# Altium PCB fire.PcbDoc
Units mm, origin at the board's own origin, x right, y up, seen from the top; angles counter-clockwise.
Board outline 99.8 x 66.79 mm, 2 copper layers (Top Layer, Bottom Layer), stack 1.651 mm thick; 15 components, 15 nets, 73 pads, 0 vias.
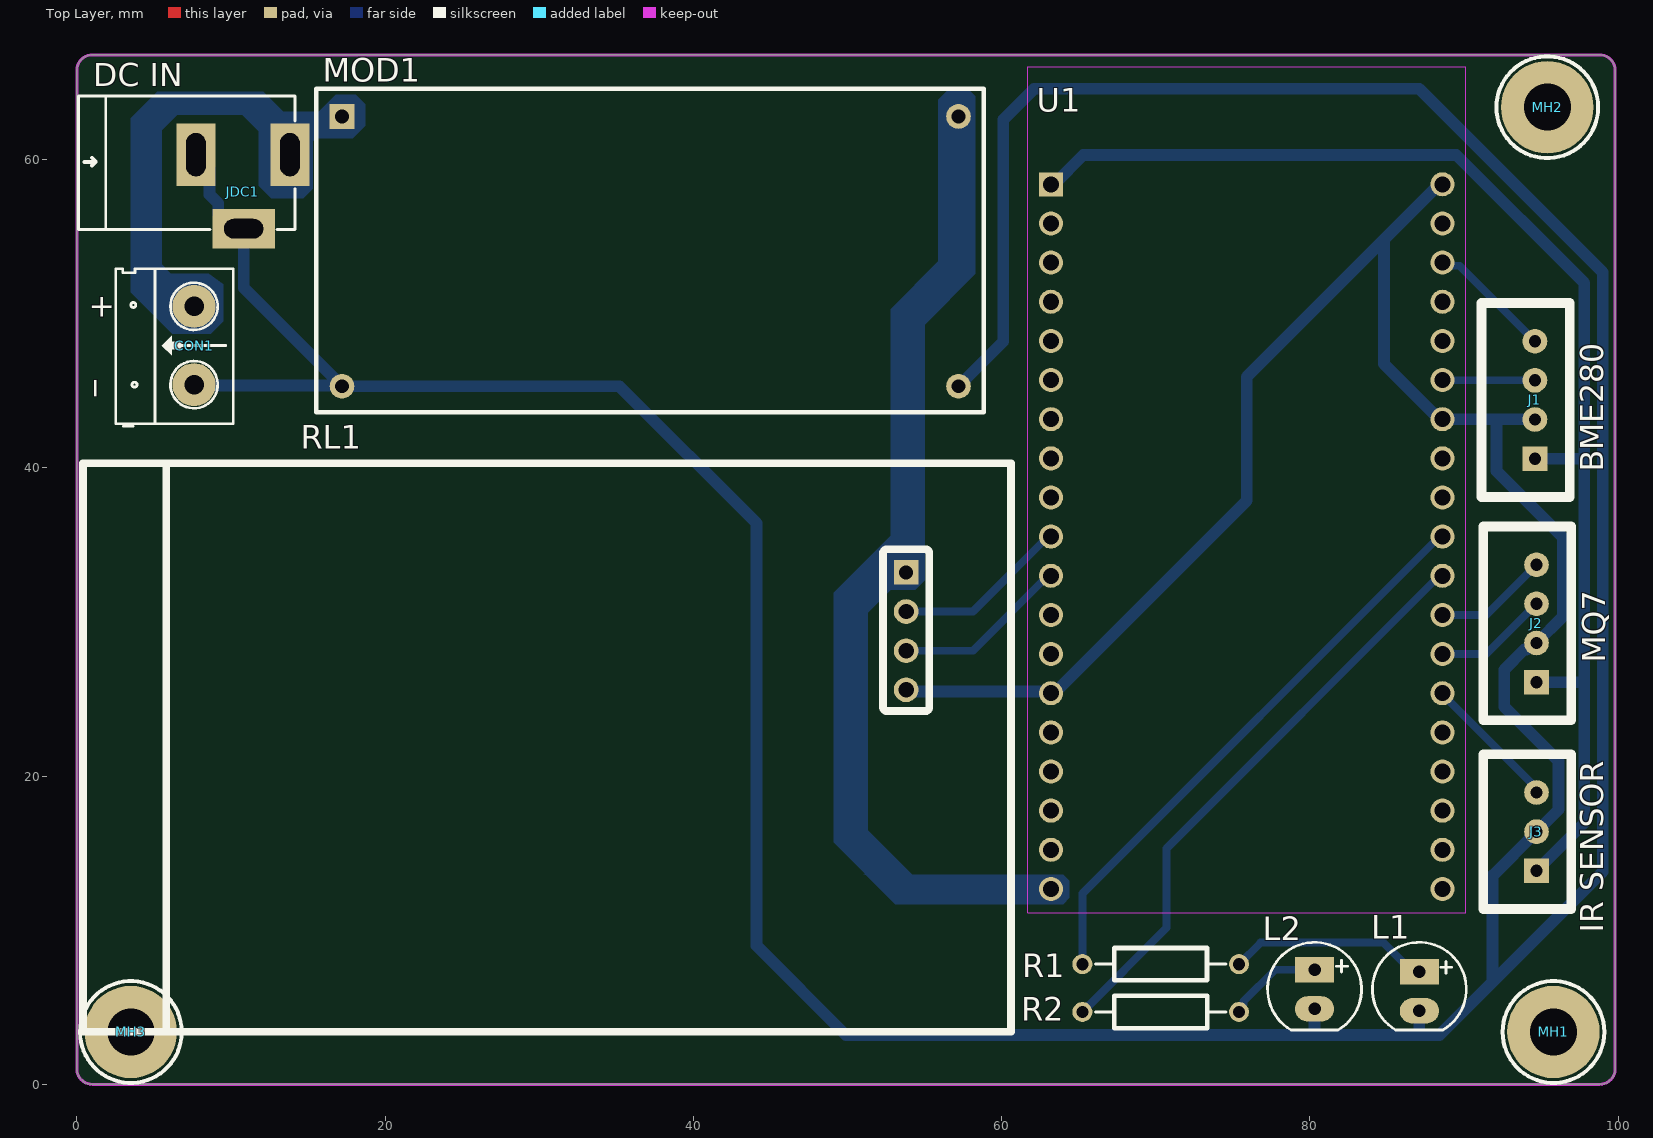
[diagram p0: Top Layer view]
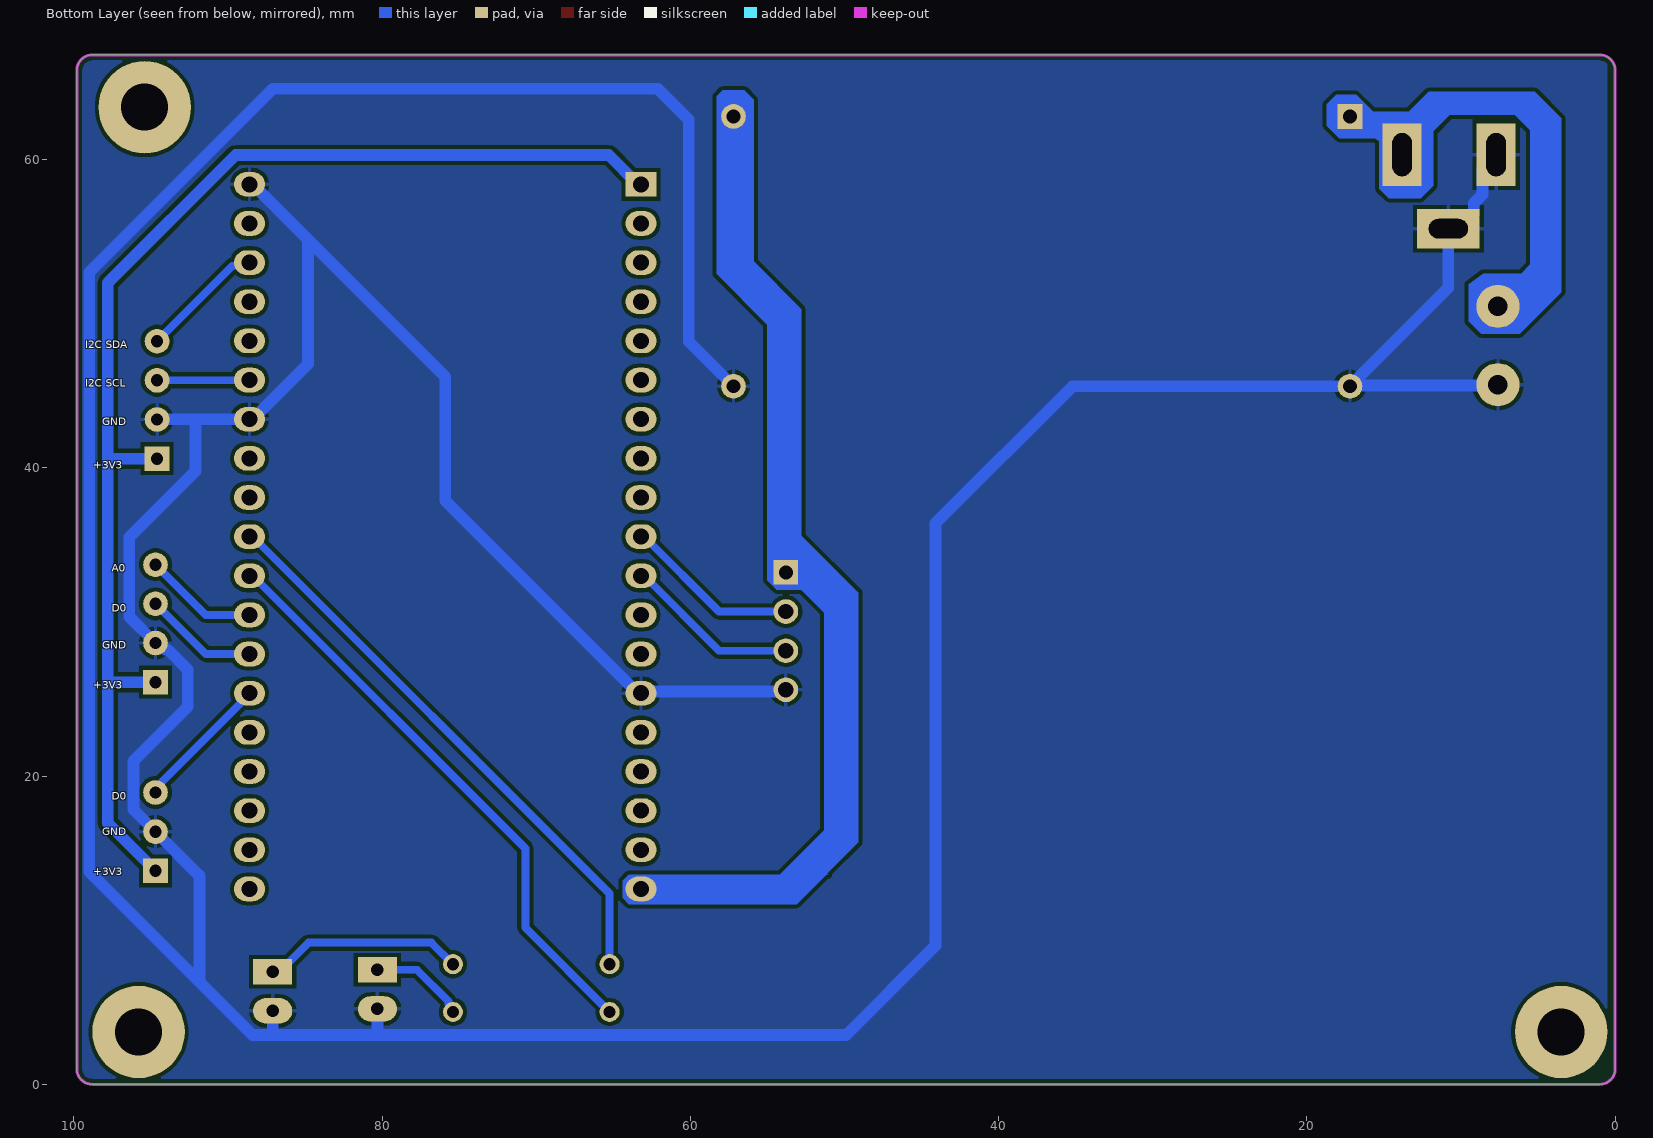
[diagram p1: Bottom Layer view, seen from below]

## Layer stack, top to bottom
Top Solder: solder mask 0.0102, Solder Resist, Dk 3.5
Top Layer: signal copper 0.0356
Dielectric 1: dielectric 1.58, FR-4, Dk 4.8
Bottom Layer: signal copper 0.0356
Bottom Solder: solder mask 0.0102, Solder Resist, Dk 3.5

## Board outline
0,1 0,65.795 cw(c1,65.795) 1,66.795 98.8,66.795 cw(c98.8,65.795) 99.8,65.795 99.8,1 cw(c98.8,1) 98.8,0 1,0 cw(c1,1)

## Design rules (kind name [scope] priority, off if disabled: settings)
Clearance [All] p1: gap=0.254 ignorepadtopadclearanceinfootprint=FALSE except(0: Arc-Hole Track-Hole SMDPad-Hole THPad-Hole Via-Hole Fill-Hole Poly-Hole Region-Hole Text-Hole)
PolygonConnect [All] p1: connectstyle=Relief reliefconductorwidth=0.254 reliefentries=4 polygonreliefangle="90 Angle" airgapwidth=0.254
RoutingVias [All] p1: holewidth=0.711 width=1.27 viastyle="Through Hole" minholewidth=0.711 minwidth=1.27 maxholewidth=0.711 maxwidth=1.27
SolderMaskExpansion [All] p1: expansion=0.102 istentingtop=FALSE
Width [All] p1: maxlimit=0.762 minlimit=0.254 preferedwidth=0.508
30 further rules are at their usual default settings.

## Classes and differential pairs
component class fire_warning: CON1 J1 J3 JDC1 L1 L2 MH1 MH2 MH3 MOD1 R1 R2 RL1 U1

## Components (designator, comment, footprint, x,y, rotation, side; value= is the part's Value field where it differs from the comment)
CON1 "Connector 2Pin" "Connector 2 Pin" 7.6,47.94 r90 top value="Header 2"
J1 "BME280" XH2.54M-4 94.6,40.6 r90 top
J2 "MQ7" XH2.54M-4 94.7,26.1 r90 top
J3 "IR" XH2.54M-3 94.7,13.86 r90 top
JDC1 "Jac DC" DC-IN 7.722,60.318 r0 top
L1 "LED 5mm" LED-5MM-BLUE 87.1,6.17 r270 top
L2 "LED 5mm" LED-5MM-RED 80.3,7.44 r270 top
MH1 "Mounting Hole H3" "Mounting Hole H3" 95.8,3.4 r0 top
MH2 "Mounting Hole H3" "Mounting Hole H3" 95.4,63.4 r0 top
MH3 "Mounting Hole H3" "Mounting Hole H3" 3.5,3.4 r0 top
MOD1 "DC-DC Buck Converter LM2596 ADJ" "Module DC-DC Buck Converter LM2596" 17.2,62.8 r0 top
R1 "Res" "Res 1/4W" 75.4,7.8 r180 top value="R1/4W - 1K"
R2 "Res" "Res 1/4W" 65.24,4.7 r0 top value="R1/4W - 1K"
RL1 "Module Relay 2 channel" "RLY 2 Channel" 53.8,33.22 r180 top
U1 "Eval Board For Esp-Wroom-32 Check availability" MODULE_ESP32-DEVKITC-32D 75.9,38.64 r0 top

## Footprints (in the part's own frame and the unit in brackets; to place one, negate y for a bottom-side part, rotate by r counter-clockwise, add the part's x,y. Pads: shape width x height; smd on the part's side, far side on the other; paste and mask are expansions set on the pad)
"Connector 2 Pin" [mil] "Connnector 2 pin, green"
  round 110 hole 50: 1(-100,0) 2(100,0)
  silkscreen extent -206,-100 196,200, body extent -209,-195 215,211, height 574
DC-IN [mm] "Jac DC input"
  rect 2.54x4.064 hole 1.27 slot 2.8 at 90 deg: 1(6.1,0) 2(0,0)
  rect 4.064x2.54 hole 1.27 slot 2.54 at 0 deg: 3(3.1,-4.8)
  silkscreen extent -7.62,-4.85 6.43,3.81, body extent -7.6,-5.03 6.22,4.47, height 11.02
LED-5MM-BLUE [mil] "LED 2 PIN, 5 ly , Only colour, pin to pin 110mil"
  rect 65x100 hole 32: 1(-45,0)
  oval 65x100 hole 32: 2(55,0)
  silkscreen extent -120,-120 104,120, body extent -113,-120 100,117, height 339
LED-5MM-RED [mil] "LED 2 PIN, 5 ly , Only colour,pin to pin 100mil"
  rect 65x100 hole 32: 1(0,0)
  oval 65x100 hole 32: 2(100,0)
  silkscreen extent -70,-120 154,120, body extent -65,-119 149,118, height 339
"Module DC-DC Buck Converter LM2596" [mm] "43x21x14mm"
  rect 1.6x1.6 hole 0.9: 1(0,0)
  round 1.6 hole 0.9: 2(0,-17.5) 3(40,0) 4(40,-17.5)
  silkscreen extent -1.68,-19.19 41.64,1.81, body extent -1.51,-19.19 41.49,1.81, height 15.82
MODULE_ESP32-DEVKITC-32D [mm]
  rect 1.56x1.56 / inner round 1.441 / far side rect 2x1.6 hole 1.04: 1(-12.7,19.76)
  round 1.56 / inner round 1.56 / far side oval 2x1.6 hole 1.04: 2(-12.7,17.22) 3(-12.7,14.68) 4(-12.7,12.14) 5(-12.7,9.6) 6(-12.7,7.06) 7(-12.7,4.52) 8(-12.7,1.98) 9(-12.7,-0.56) 10(-12.7,-3.1) 11(-12.7,-5.64) 12(-12.7,-8.18) 13(-12.7,-10.72) 14(-12.7,-13.26) 15(-12.7,-15.8) 16(-12.7,-18.34) 17(-12.7,-20.88) 18(-12.7,-23.42) 19(-12.7,-25.96) 20(12.7,19.76) 21(12.7,17.22) 22(12.7,14.68) 23(12.7,12.14) 24(12.7,9.6) 25(12.7,7.06) 26(12.7,4.52) 27(12.7,1.98) 28(12.7,-0.56) 29(12.7,-3.1) 30(12.7,-5.64) 31(12.7,-8.18) 32(12.7,-10.72) 33(12.7,-13.26) 34(12.7,-15.8) 35(12.7,-18.34) 36(12.7,-20.88) 37(12.7,-23.42) 38(12.7,-25.96)
  Top Layer keep-out lines w0.05: -14.2,-27.5 -14.2,27.4 14.2,27.4 14.2,-27.5 -14.2,-27.5
  body extent -13.96,-27.93 13.98,27.17, height 8.25
"Mounting Hole H3" [mm]
  round 6 hole 3.05: 1(0,0)
  silkscreen extent -3.3,-3.3 3.3,3.3, body extent -2.74,-2.75 2.74,2.75, height 2.2
"Res 1/4W" [mm] "1/4W"
  round 1.3 hole 0.8 mask+0.1: 1(0,0) 2(10.16,0)
  silkscreen extent 0.85,-1.05 9.31,1.04, body extent -0.31,-1.19 10.45,1.21, height 2.6
"RLY 2 Channel" [mm]
  rect 1.6x1.6 hole 0.9: 1(0,0)
  round 1.6 hole 1: 2(0,2.54) 3(0,5.08) 4(0,7.62)
  silkscreen extent -6.8,-7.09 53.4,29.81, body extent -2.61,-7.1 47.93,29.78, height 17.09
XH2.54M-3 [mm] "Male, trang, chan thang, pitch 2.54mm"
  rect 1.6x1.6 hole 0.8: 1(0,0)
  round 1.6 hole 0.8: 2(2.54,0) 3(5.08,0)
  silkscreen extent -2.48,-2.26 7.56,3.46, body extent -2.48,-2.26 7.56,3.48, height 6.91
XH2.54M-4 [mm]
  rect 1.6x1.6 hole 0.8: 1(0,0)
  round 1.6 hole 0.8: 2(2.54,0) 3(5.08,0) 4(7.62,0)
  silkscreen extent -2.48,-2.26 10.1,3.46, body extent -2.48,-2.26 10.1,3.48, height 6.91

## Part data
J1 J2: library part "CON 4-Pin", "Pitch 2.54mm", Chung_Loai=Cắm, Don_Vi=Con, Ma_Hang=MH001285, Ten_Linh_Kien="Header 4P XH2.54-4P Đực Thẳng"
J3: library part "CON 3-Pin", Chung_Loai=Cắm, Don_Vi=Con, Ma_Hang=MH001292, Ten_Linh_Kien="Header 3P XH2.54-3P Đực Thẳng"
JDC1: library part DCIN, "Jac DC input"
L1: library part "LED 5mm Xanh Duong", "Cắm", Chung_Loai=Cắm, Don_Vi=Con, Ma_Hang=MH008987, Ten_Linh_Kien="Led 5MM Xanh Dương Đục (1000c)"
L2: library part "LED 5mm Do", "Cắm", Chung_Loai=Cắm, Don_Vi=Con, Ma_Hang=MH008967, Ten_Linh_Kien="Led 5MM Phủ Đỏ (1000c)"
MH1 MH2 MH3: library part MH_3H, "Mounting Hole H3mm", Alternate Part Number-1=NA, Case/Package=TH, Manufacturer=NA, Manufacturer Part Number=NA, Supplier Part Number-1=NA, Supplier-1=NA
MOD1: library part MOD-DC-DC_Buck_LM2596_3A, "Input: 3-30V, Output:1.5-30V. I_out = 3A (max). Dimensions: 45x20x14mm"
R1 R2: "Resistor"
RL1: library part RLY2_5V_80mA, "Output: 10A/30VDC, 10A/250VAC"
U1: library part ESP32-DEVKITC-32D, Package=MODULE_ESP32-DEVKITC-32D, Availability="In Stock", DeviceSetName=ESP32-DEVKITC-32D, GateName_1=G$1, LibraryName=ESP32-DEVKITC-32D, MF="Espressif Systems", MP=ESP32-DEVKITC-32D, PRICE=None, Purchase-URL=https://pricing.snapeda.com/search/part/ESP32-DEVKITC-32D/?ref=eda, SymbolName_1=ESP32-DEVKITC-32D

## Nets (pads, with @x,y where several pads share a name; then routed paths per layer and width w, separated by ;. In a path a pad name is that pad's centre, name@x,y a point inside that pad or via, vN(x,y) a via of type N, cw(c..) or ccw(c..) an arc to the next point about the centre after c; other vN are vias at no path point)
+3V3: J1.1 J2.1 J3.1 U1.1 | length 84.6
  Bottom Layer w0.762: U1.1 63.4,58.4 65.3,60.3 89.5,60.3 97.8,52 97.8,40.7 ; J1.1 97.7,40.6 97.8,40.7 ; J3.1 97.8,16.96 97.8,26 ; J2.1 97.7,26.1 97.8,26 ; 97.8,26 97.8,40.7
+12V: CON1.2 JDC1.1 MOD1.1 | length 27.7
  Bottom Layer w0.762: CON1.2 4.6,53.48 4.6,62.354 6.146,63.9 10.24,63.9 12.171,61.969 JDC1.1@12.933,61.969 ; JDC1.1 13.822,61.08 14.711,61.969 15.473,61.969 15.885,62.381 16.781,62.381 MOD1.1
BME_I2C_SCL: J1.3 U1.25 | length 6
  Bottom Layer w0.508: U1.25 88.61,45.69 94.59,45.69 J1.3
BME_I2C_SDA: J1.4 U1.22 | length 8.1
  Bottom Layer w0.508: U1.22 88.809,53.111 89.709,53.111 J1.4
GND: CON1.1 J1.2 J2.2 J3.2 JDC1.2 JDC1.3 L1.2 L2.2 MOD1.2 MOD1.4 RL1.4 U1.14 U1.20 U1.26 | length 369.9
  Bottom Layer w0.762: CON1.1 7.65,45.35 MOD1.2@17.15,45.35 ; JDC1.2 8.611,59.429 8.611,57.729 9.171,57.169 9.171,56.407 10.06,55.518 JDC1.3 10.822,51.678 MOD1.2@17.15,45.35 ; RL1.4 53.91,25.49 63.09,25.49 U1.14 63.4,25.38 75.9,37.88 75.9,45.9 84.8,54.8 ; MOD1.4 60.1,48.2 60.1,62.6 62.1,64.6 87.1,64.6 99,52.7 99,13.8 91.85,6.65 ; L2.2 80.3,3.2 ; L1.2 87.1,3.2 ; U1.20 88.4,58.4 84.8,54.8 ; J1.2 94.59,43.15 92.1,43.15 ; MOD1.2@17.15,45.35 MOD1.2 35.2,45.3 44.1,36.4 44.1,9 49.9,3.2 80.3,3.2 ; 80.3,3.2 87.1,3.2 ; 84.8,54.8 84.8,46.76 88.4,43.16 U1.26 88.61,43.15 92.1,43.15 ; 87.1,3.2 88.4,3.2 91.85,6.65 ; 91.85,6.65 91.85,13.55 J3.2 96.135,17.835 96.135,20.965 92.6,24.5 92.6,26.9 93.921,28.221 94.054,28.221 94.473,28.64 J2.2 96.4,30.34 96.4,35.5 92.1,39.8 92.1,43.15
IR_D0: J3.3 U1.33 | length 9.3
  Bottom Layer w0.508: U1.33@88.93,25.38 U1.33 88.6,25.31 94.7,19.21 J3.3
"LED GREEN": R1.2 U1.29 | length 37.5
  Bottom Layer w0.508: R1.2 65.24,12.38 88.4,35.54 U1.29
"LED RED": R2.1 U1.30 | length 38.1
  Bottom Layer w0.508: R2.1 70.7,10.16 70.7,15.3 88.4,33 U1.30
MQ7_A0: J2.4 U1.31 | length 7.5
  Bottom Layer w0.508: U1.31 91.44,30.46 J2.4
MQ7_D0: J2.3 U1.32 | length 7.5
  Bottom Layer w0.508: U1.32 91.44,27.92 J2.3
NetL1_1: L1.1 R1.1 | length 13.1
  Bottom Layer w0.508: R1.1 76.8,9.2 84.769,9.2 86.656,7.313 L1.1
NetL2_1: L2.1 R2.2 | length 6.3
  Bottom Layer w0.508: R2.2 75.4,4.914 75.69,5.205 75.69,5.39 77.74,7.44 L2.1
RLY_IN1: RL1.3 U1.11 | length 11.4
  Bottom Layer w0.508: RL1.3 58.14,28.14 63,33 U1.11
RLY_IN2: RL1.2 U1.10 | length 11.4
  Bottom Layer w0.508: RL1.2 58.14,30.68 63,35.54 U1.10
Vin: MOD1.3 RL1.1 U1.19 | length 65.4
  Bottom Layer w0.762: MOD1.3 57.2,53.3 53.8,49.9 RL1.1 52.22,33.22 50.1,31.1 50.1,15.5 52.92,12.68 U1.19
pads on no net: MH1.1 MH2.1 MH3.1 U1.2 U1.3 U1.4 U1.5 U1.6 U1.7 U1.8 U1.9 U1.12 U1.13 U1.15 U1.16 U1.17 U1.18 U1.21 U1.23 U1.24 U1.27 U1.28 U1.34 U1.35 U1.36 U1.37 U1.38

## Polygon pours and split planes (outlines as drawn)
GND on Bottom Layer "NONET_L-01_P-001" (solid, remove dead copper, pour order 0): 0,66.8 0.5,66.3 0.5,0 99.9,0 100,0.1 99.9,0.2 99.9,66.9 0.5,66.9 0,67.4

## Keep-outs
Keep-Out Layer:
  the board outline again, w0.2

## Other copper
Bottom Layer:
  region net Vin: 51.067,13.6 64,13.6 64.4,13.2
  region net Vin: 55.9,53.4 52.8,50.3 52.8,35.6 49.1,31.9 49.1,15.7 53.1,11.7 64,11.7 64.4,12.1 64.4,13.2 54.195,13.6 51.3,16.495 51.3,30.6 52.8,32.1 54.4,32.1 55,32.7 55,49.3 58.3,52.6 58.3,64.1 57.9,64.5 56.5,64.5 55.9,63.9
  region net +12V: 9.5,51.9 9.5,51.5 9.5,49.5 8.7,48.7 6.2,48.7 3.5,51.4 3.5,62.7 5.2,64.4 12.1,64.4 13.4,63.1 15.7,63.1 16.8,64.2 18.1,64.2 18.7,63.6 18.7,62.2 17.9,61.4 15.6,61.4 15.3,61.2 15.3,58.1 14.7,57.5 12.6,57.5 11.8,58.3 11.8,62.9 6.5,62.9 5.5,61.9 5.5,53.2 6.1,52.6 8.55,52.6

## Silkscreen, mask and mechanical layers (free items; w line width, h text height)
Top Overlay:
  text "DC IN" at 1.054,64.754 h1.5
  text "+" at 0.754,49.804 h1.5
  text "_" at 0.796,44.654 h1.5 r90
  text "BME280" at 99.046,39.754 h1.5 r90
  text "MQ7" at 99.146,27.354 h1.5 r90
  text "IR SENSOR" at 99.046,9.854 h1.5 r90
Bottom Overlay:
  text "I2C SDA" at 99.246,47.754 h0.5
  text "I2C SCL" at 99.246,45.254 h0.5
  text "GND" at 98.147,42.754 h0.5
  text "+3V3" at 98.747,39.954 h0.5
  text "A0" at 97.547,33.254 h0.5
  text "D0" at 97.547,30.654 h0.5
  text "GND" at 98.147,28.254 h0.5
  text "+3V3" at 98.747,25.654 h0.5
  text "D0" at 97.547,18.454 h0.5
  text "GND" at 98.147,16.154 h0.5
  text "+3V3" at 98.747,13.554 h0.5

## Dimensions
98.8,0 to 98.8,66.795 on Multi-Layer
0,1 to 99.8,1 on Multi-Layer